# KiCad board ts52k.kicad_pcb
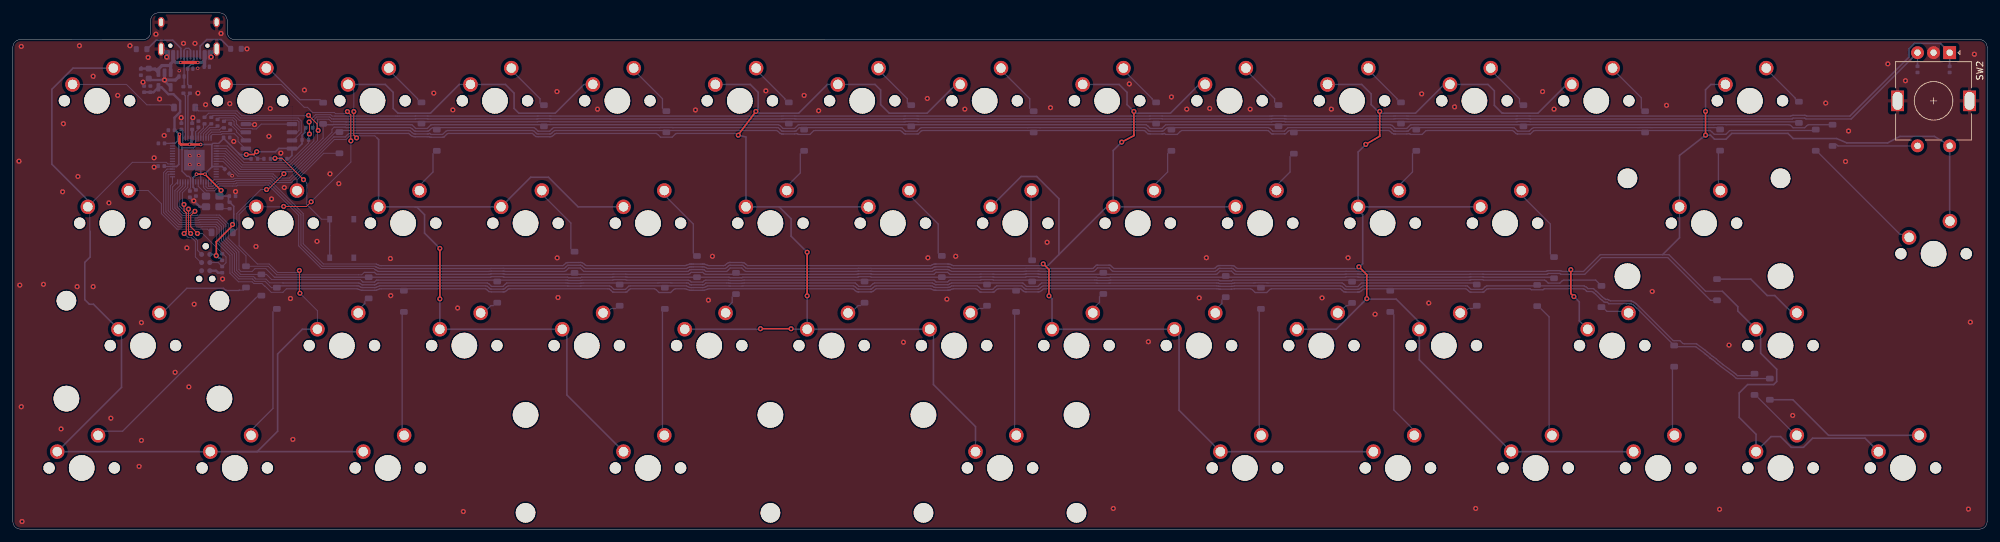
[diagram p0: board, top side]
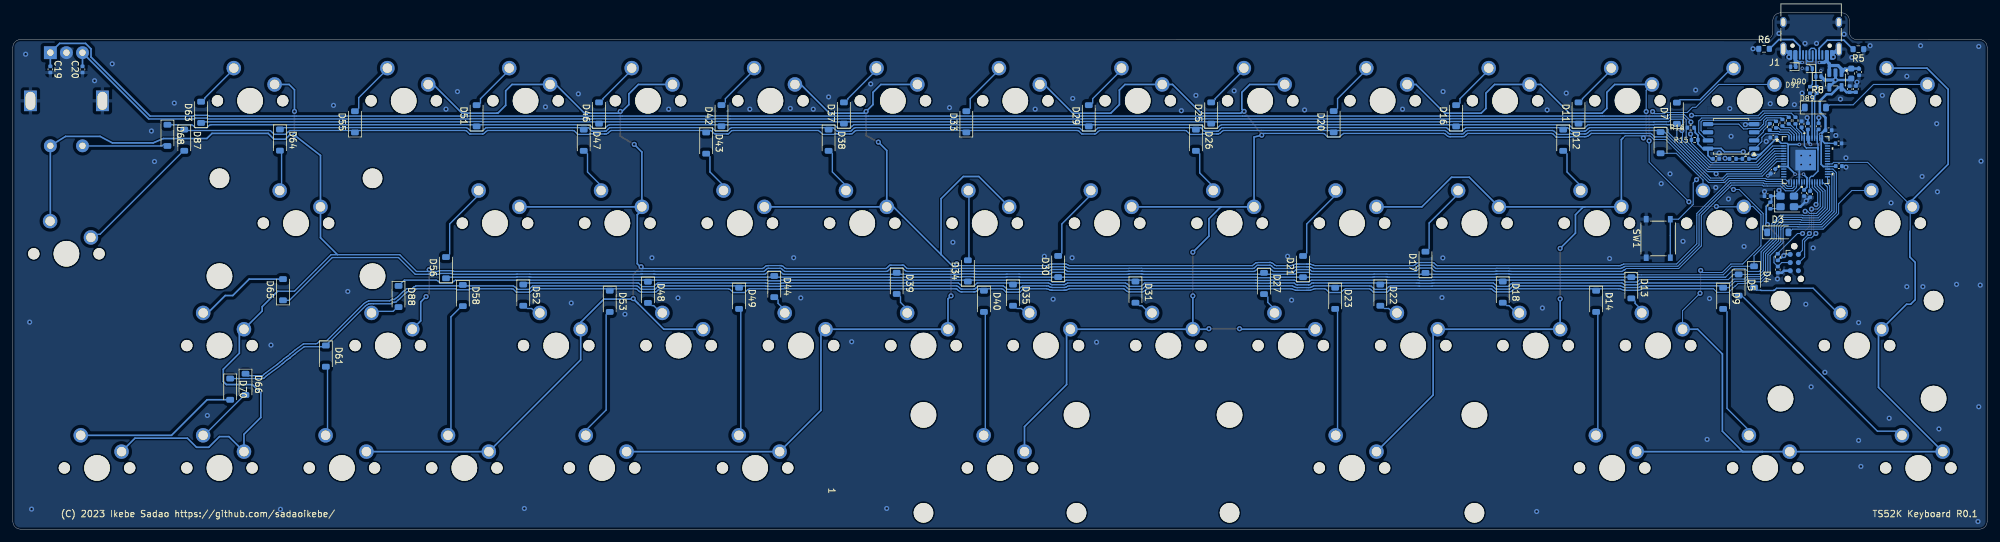
[diagram p1: board, bottom side, seen from below]

Outline 307.18 x 80.36 mm; copper layers: Top, Bottom. Coordinates in mm from the lower left corner of the outline.
Outline path: 0,75.01 arc(0.35,75.85) 1.19,76.2 20.25,76.19 arc(21.09,76.54) 21.44,77.38 21.44,79.17 arc(21.79,80.01) 22.63,80.36 32.16,80.36 arc(33,80.01) 33.35,79.17 33.35,77.38 arc(33.69,76.54) 34.54,76.19 305.99,76.2 arc(306.83,75.85) 307.18,75.01 307.18,1.19 arc(306.83,0.35) 305.99,0 301.23,0 1.19,0 arc(0.35,0.35) 0,1.19 0,75.01
Stack: Top 0.035mm / dielectric 1.51mm FR4 er 4.5 / Bottom 0.035mm

## Placement (name value [footprint] x y rotation side)
C2  1u  [C_0402_1005Metric]  42.17 57.64 0 bottom
C3  4.7u  [C_0603_1608Metric]  21.14 70.91 90 bottom
C4  1u  [C_0402_1005Metric]  19.92 71.14 90 bottom
C5  4.7u  [C_0402_1005Metric]  21.39 68.49 270 bottom
C6  1u  [C_0402_1005Metric]  24.67 62.09 180 bottom
C7  1u  [C_0402_1005Metric]  32.57 40.39 270 bottom
C8  1u  [C_0402_1005Metric]  26.22 62.69 90 bottom
C9  1u  [C_0402_1005Metric]  28.87 63.03 90 bottom
C10  1u  [C_0402_1005Metric]  27.54 52.14 270 bottom
C12  1u  [C_0402_1005Metric]  28.48 52.32 270 bottom
C13  1u  [C_0402_1005Metric]  27.9 62.69 90 bottom
C14  1u  [C_0402_1005Metric]  34.17 51.83 0 bottom
C15  1u  [C_0402_1005Metric]  33.27 60.95 0 bottom
C16  1u  [C_0402_1005Metric]  33.32 55.69 315 bottom
C17  1u  [C_0402_1005Metric]  23.08 56.51 180 bottom
C18  1u  [C_0402_1005Metric]  23.12 60.04 180 bottom
C19  0.1u  [C_0402_1005Metric]  301.35 71.56 270 bottom
C20  0.1u  [C_0402_1005Metric]  296.35 71.56 90 bottom
C21  1u  [C_0402_1005Metric]  20.42 68.49 90 bottom
D2  D  [D_SOD-123]  26.72 65.62 180 bottom
D3  D  [D_SOD-123]  32.57 46.19 180 bottom
D4  D  [D_SOD-123]  36.27 39.27 270 bottom
D5  D  [D_SOD-123]  38.67 38 270 bottom
D7  D  [D_SOD-123]  48.28 64.73 90 bottom
D8  D  [D_SOD-123]  50.82 60.15 270 bottom
D9  D  [D_SOD-123]  41.08 35.93 270 bottom
D11  D  [D_SOD-123]  63.58 64.77 90 bottom
D12  D  [D_SOD-123]  65.96 60.54 270 bottom
D13  D  [D_SOD-123]  55.36 37.56 270 bottom
D14  D  [D_SOD-123]  60.84 35.46 270 bottom
D16  D  [D_SOD-123]  82.63 64.34 90 bottom
D17  D  [D_SOD-123]  87.39 41.54 90 bottom
D18  D  [D_SOD-123]  75.37 36.89 270 bottom
D20  D  [D_SOD-123]  101.68 63.41 90 bottom
D21  D  [D_SOD-123]  106.44 40.86 90 bottom
D22  D  [D_SOD-123]  94.42 36.42 270 bottom
D23  D  [D_SOD-123]  101.44 35.93 270 bottom
D25  D  [D_SOD-123]  120.73 64.77 90 bottom
D26  D  [D_SOD-123]  123.11 60.54 270 bottom
D27  D  [D_SOD-123]  112.51 38.24 270 bottom
D29  D  [D_SOD-123]  139.78 64.34 90 bottom
D30  D  [D_SOD-123]  144.54 40.88 90 bottom
D31  D  [D_SOD-123]  132.52 36.89 270 bottom
D33  D  [D_SOD-123]  158.83 63.4 90 bottom
D34  D  [D_SOD-123]  158.59 40.19 90 bottom
D35  D  [D_SOD-123]  151.57 36.42 270 bottom
D37  D  [D_SOD-123]  177.88 64.77 90 bottom
D38  D  [D_SOD-123]  180.26 60.54 270 bottom
D39  D  [D_SOD-123]  169.66 38.26 270 bottom
D40  D  [D_SOD-123]  156.09 35.46 270 bottom
D42  D  [D_SOD-123]  196.93 64.35 90 bottom
D43  D  [D_SOD-123]  199.31 60.09 270 bottom
D44  D  [D_SOD-123]  188.71 37.76 270 bottom
D46  D  [D_SOD-123]  215.98 64.77 90 bottom
D47  D  [D_SOD-123]  218.36 60.54 270 bottom
D48  D  [D_SOD-123]  208.37 36.86 270 bottom
D49  D  [D_SOD-123]  194.19 35.93 270 bottom
D51  D  [D_SOD-123]  235.03 64.34 90 bottom
D52  D  [D_SOD-123]  227.77 36.42 270 bottom
D53  D  [D_SOD-123]  214.31 35.46 270 bottom
D55  D  [D_SOD-123]  253.96 63.4 90 bottom
D56  D  [D_SOD-123]  239.79 40.7 90 bottom
D58  D  [D_SOD-123]  237.17 36.36 270 bottom
D61  D  [D_SOD-123]  258.49 26.93 270 bottom
D63  D  [D_SOD-123]  277.89 64.88 90 bottom
D64  D  [D_SOD-123]  265.63 60.56 270 bottom
D65  D  [D_SOD-123]  265.15 37.27 90 bottom
D66  D  [D_SOD-123]  270.99 22.54 270 bottom
D68  D  [D_SOD-123]  283.13 61.29 270 bottom
D70  D  [D_SOD-123]  273.37 21.79 270 bottom
D87  D  [D_SOD-123]  280.51 60.54 270 bottom
D88  D  [D_SOD-123]  247.17 36.21 270 bottom
D89  H5VU10U  [D_SOD-882D]  26.25 70.45 180 bottom
D90  H5VU10U  [D_SOD-882D]  27.6 71.67 0 bottom
D91  H5VU10U  [D_SOD-882D]  30.17 71.97 0 bottom
J1  HRO_TYPE-C-31-M-12  [USB_C_Receptacle_HRO_TYPE-C-31-M-12]  27.39 77.86 0 bottom
J2  TC2030_IDC_NL  [Tag-Connect_TC2030-IDC-NL_2x03_P1.27mm_Vertical]  30.01 41.49 270 bottom
MX2  MX-NoLED  [MXOnly-1.5U-NoLED]  13.1 66.68 0 top
MX3  MX-NoLED  [MXOnly-1.75U-NoLED]  15.48 47.63 0 top
MX4  MX-NoLED  [MXOnly-2.25U-NoLED]  20.24 28.58 0 top
MX5  MX-NoLED  [MXOnly-1.25U-NoLED]  10.72 9.53 0 top
MX7  MX-NoLED  [MXOnly-1U-NoLED]  36.91 66.68 0 top
MX8  MX-NoLED  [MXOnly-1U-NoLED]  41.67 47.63 0 top
MX9  MX-NoLED  [MXOnly-1.25U-NoLED]  34.53 9.53 0 top
MX11  MX-NoLED  [MXOnly-1U-NoLED]  55.96 66.68 0 top
MX12  MX-NoLED  [MXOnly-1U-NoLED]  60.72 47.63 0 top
MX13  MX-NoLED  [MXOnly-1U-NoLED]  51.2 28.58 0 top
MX14  MX-NoLED  [MXOnly-1.25U-NoLED]  58.34 9.53 0 top
MX16  MX-NoLED  [MXOnly-1U-NoLED]  75.01 66.68 0 top
MX17  MX-NoLED  [MXOnly-1U-NoLED]  79.77 47.63 0 top
MX18  MX-NoLED  [MXOnly-1U-NoLED]  70.25 28.58 0 top
MX20  MX-NoLED  [MXOnly-1U-NoLED]  94.06 66.68 0 top
MX21  MX-NoLED  [MXOnly-1U-NoLED]  98.82 47.63 0 top
MX22  MX-NoLED  [MXOnly-1U-NoLED]  89.3 28.58 0 top
MX23  MX-NoLED  [MXOnly-3U-ReversedStabilizers-NoLED]  98.82 9.53 0 top
MX25  MX-NoLED  [MXOnly-1U-NoLED]  113.11 66.68 0 top
MX26  MX-NoLED  [MXOnly-1U-NoLED]  117.87 47.63 0 top
MX27  MX-NoLED  [MXOnly-1U-NoLED]  108.35 28.58 0 top
MX29  MX-NoLED  [MXOnly-1U-NoLED]  132.16 66.68 0 top
MX30  MX-NoLED  [MXOnly-1U-NoLED]  136.92 47.63 0 top
MX31  MX-NoLED  [MXOnly-1U-NoLED]  127.4 28.58 0 top
MX33  MX-NoLED  [MXOnly-1U-NoLED]  151.21 66.68 0 top
MX34  MX-NoLED  [MXOnly-1U-NoLED]  155.97 47.63 0 top
MX35  MX-NoLED  [MXOnly-1U-NoLED]  146.45 28.58 0 top
MX37  MX-NoLED  [MXOnly-1U-NoLED]  170.26 66.68 0 top
MX38  MX-NoLED  [MXOnly-1U-NoLED]  175.02 47.63 0 top
MX39  MX-NoLED  [MXOnly-1U-NoLED]  165.5 28.58 0 top
MX42  MX-NoLED  [MXOnly-1U-NoLED]  189.31 66.68 0 top
MX43  MX-NoLED  [MXOnly-1U-NoLED]  194.07 47.63 0 top
MX44  MX-NoLED  [MXOnly-1U-NoLED]  184.55 28.58 0 top
MX46  MX-NoLED  [MXOnly-1U-NoLED]  208.36 66.68 0 top
MX47  MX-NoLED  [MXOnly-1U-NoLED]  213.12 47.63 0 top
MX48  MX-NoLED  [MXOnly-1U-NoLED]  203.6 28.58 0 top
MX51  MX-NoLED  [MXOnly-1U-NoLED]  227.41 66.68 0 top
MX52  MX-NoLED  [MXOnly-1U-NoLED]  222.65 28.58 0 top
MX55  MX-NoLED  [MXOnly-1U-NoLED]  246.37 66.68 0 top
MX56  MX-NoLED  [MXOnly-1U-NoLED]  232.17 47.63 0 top
MX58  MX-NoLED  [MXOnly-1U-NoLED]  236.93 9.53 0 top
MX60  MX-NoLED  [MXOnly-2.75U-ReversedStabilizers-NoLED]  153.59 9.53 0 top
MX61  MX-NoLED  [MXOnly-1U-NoLED]  255.98 9.53 0 top
MX64  MX-NoLED  [MXOnly-1.5U-NoLED]  270.27 66.68 0 top
MX65  MX-NoLED  [MXOnly-2.25U-NoLED]  263.13 47.63 0 top
MX66  MX-NoLED  [MXOnly-1U-NoLED]  275.03 28.58 0 top
MX67  MX-NoLED  [MXOnly-1U-NoLED]  275.03 9.53 0 top
MX71  MX-NoLED  [MXOnly-1U-NoLED]  294.08 9.53 0 top
MX74  MX-NoLED  [MXOnly-1U-NoLED]  298.85 42.86 0 top
MX75  MX-NoLED  [MXOnly-1.75U-NoLED]  248.84 28.58 0 top
MX81  MX-NoLED  [MXOnly-1.25U-NoLED]  191.69 9.53 0 top
MX82  MX-NoLED  [MXOnly-1.25U-NoLED]  215.5 9.53 0 top
R2  10k  [R_0402_1005Metric]  37.57 57.64 0 bottom
R3  10k  [R_0402_1005Metric]  33.73 50.38 270 bottom
R4  10k  [R_0402_1005Metric]  32.57 42.34 90 bottom
R5  5.1k  [R_0603_1608Metric]  20.03 74.71 0 bottom
R6  5.1k  [R_0603_1608Metric]  34.71 74.76 180 bottom
R7  22  [R_0402_1005Metric]  26.53 68.36 270 bottom
R8  22  [R_0402_1005Metric]  27.55 68.36 270 bottom
R9  22  [R_0402_1005Metric]  30.87 63.59 270 bottom
R10  22  [R_0402_1005Metric]  31.85 63.26 270 bottom
R11  22  [R_0402_1005Metric]  33.82 62.62 270 bottom
R12  22  [R_0402_1005Metric]  32.84 62.97 270 bottom
R13  22  [R_0402_1005Metric]  29.82 63.59 270 bottom
R14  1k  [R_0402_1005Metric]  39.57 57.64 0 bottom
R15  10k  [R_0402_1005Metric]  45.51 60.59 0 bottom
R16  10k  [R_0402_1005Metric]  46.12 62.49 0 bottom
SW1  TS-1187A-B-A-B  [SW_Tactile_XKB_TS-1187A_5.1x5.1mm]  51.17 45.24 90 bottom
SW2  RotaryEncoder_Switch  [RotaryEncoder_Alps_EC11E-Switch_Vertical_H20mm]  301.35 74.16 270 top
U3  TPS7A2433DBVR  [SOT-23-5]  23.6 69.91 270 bottom
U4  W25Q128JVS  [SOIC-8_5.3x5.3mm_P1.27mm]  39.84 61.14 0 bottom
U5  RP2040  [IC57_RP2040]  28.24 57.44 180 bottom
X2  OC2EL89CJO-113YLC-12M  [Oscillator_SMD_Abracon_ASE-4Pin_3.2x2.5mm]  31.1 51 180 bottom

## Library data of the parts
C2 C4 C6-C10 C12-C18 C21 = -: KiLib_Generator: SMD_2terminal_chip_molded; LCSC: C52923; MPN: CL05A105KA5NQNC; ki_fp_filters: C_*
C3 = -: KiLib_Generator: SMD_2terminal_chip_molded; LCSC: C69335; MPN: CL10A475KA8NQNC
C5 = -: KiLib_Generator: SMD_2terminal_chip_molded; LCSC: C23733; MPN: CL05A475MP5NRNC; ki_fp_filters: C_*
C19 C20 = -: LCSC: C1525; ki_fp_filters: C_*
D2-D5 D7-D9 D11-D14 D16-D18 D20-D23 D25-D27 D29-D31 D33-D35 D37-D40 D42-D44 D46-D49 D51-D53 D55 D56 D58 D61 D63-D66 D68 D70 D87 D88 = -: LCSC: C81598; ki_fp_filters: TO-???* *_Diode_* *SingleDiode* D_*
D89-D91 = -: Datasheet: https://datasheet.lcsc.com/datasheet/pdf/c39c364bc61f363e0e429e5dec391fd3.pdf?productCode=C22395519; Description: H5VU10U unidirectional ESD protection, pin 1 cathode/IO, pin 2 anode/GND; LCSC: C22395519; ki_fp_filters: D_SOD-882D*
J1 = -: Datasheet: https://www.usb.org/sites/default/files/documents/usb_type-c.zip; LCSC: C165948; ki_fp_filters: USB*C*Receptacle*
J2 = -: Datasheet: https://www.tag-connect.com/wp-content/uploads/bsk-pdf-manager/TC2030-IDC-NL_8.pdf; Description: Tag-Connect TC2030-IDC-NL, TC2030-CTX pinout. No component fitted; ki_fp_filters: Tag-Connect_TC2030*
R2-R4 = -: KiLib_Generator: SMD_2terminal_chip_molded; LCSC: C25744; MPN: 0402WGF1002TCE; ki_fp_filters: R_*
R5 R6 = -: LCSC: C23186; ki_fp_filters: R_*
R7-R13 = -: KiLib_Generator: SMD_2terminal_chip_molded; LCSC: C25092; MPN: 0402WGF220JTCE; ki_fp_filters: R_*
R14 = -: KiLib_Generator: SMD_2terminal_chip_molded; LCSC: C11702; MPN: 0402WGF1001TCE; ki_fp_filters: R_*
R15 R16 = -: Datasheet: https://www.lcsc.com/product-detail/C25744.html; KiLib_Generator: SMD_2terminal_chip_molded; LCSC: C25744; MPN: 0402WGF1002TCE
SW1 = -: Datasheet: https://www.helloxkb.com/uploads/qingchukaiguan/TS-1187A-X-X-X.pdf; LCSC: C318884
SW2 = -: ki_fp_filters: RotaryEncoder*Switch*
U3 = -: Datasheet: https://www.ti.com/lit/gpn/TPS7A24; Description: 200mA 3.3V LDO; EN to IN; NC pin 4 to GND; KiLib_Generator: package/gullwing; LCSC: C2866134
U4 = -: Datasheet: https://www.winbond.com/resource-files/w25q128jv_dtr%20revc%2003272018%20plus.pdf; Description: 128Mbit / 16MiB Serial Flash Memory, Standard/Dual/Quad SPI, 2.7-3.6V, SOIC-8; KiLib_Generator: package/gullwing; LCSC: C97521; MPN: W25Q128JVSIQ; ki_fp_filters: *SOIC*5.3x5.3mm*P1.27mm*
U5 = -: LCSC: C2040; ki_fp_filters: IC57_RP2040 IC57_RP2040-M IC57_RP2040-L
X2 = -: Datasheet: http://www.abracon.com/Oscillators/ASV.pdf; KiLib_Generator: crystal_resonator_oscillator; LCSC: C27636964; ki_fp_filters: Oscillator*SMD*Abracon*ASE*3.2x2.5mm*

## Footprints (pads in the part's own frame, mm; a bottom-side part is the same pattern mirrored in y, then rotated)
C_0402_1005Metric
  rrect 0.56x0.62 smd: 1(-0.48,0) 2(0.48,0)
C_0603_1608Metric
  rrect 0.9x0.95 smd: 1(-0.775,0) 2(0.775,0)
D_SOD-123
  rrect 0.9x1.2 smd: 1(-1.65,0) 2(1.65,0)
D_SOD-882D
  rrect 0.3x0.6 smd: (-0.35,0) (0.35,0)
  rrect 0.5x0.7 smd: 1(-0.4,0) 2(0.4,0)
IC57_RP2040
  rect 0.808x0.2 smd: 1(-3.401,2.6) 2(-3.401,2.2) 3(-3.401,1.8) 4(-3.401,1.4) 5(-3.401,1) 6(-3.401,0.6) 7(-3.401,0.2) 8(-3.401,-0.2) 9(-3.401,-0.6) 10(-3.401,-1) 11(-3.401,-1.4) 12(-3.401,-1.8) 13(-3.401,-2.2) 14(-3.401,-2.6) 29(3.401,-2.6) 30(3.401,-2.2) 31(3.401,-1.8) 32(3.401,-1.4) 33(3.401,-1) 34(3.401,-0.6) 35(3.401,-0.2) 36(3.401,0.2) 37(3.401,0.6) 38(3.401,1) 39(3.401,1.4) 40(3.401,1.8) 41(3.401,2.2) 42(3.401,2.6)
  rect 0.2x0.808 smd: 15(-2.6,-3.401) 16(-2.2,-3.401) 17(-1.8,-3.401) 18(-1.4,-3.401) 19(-1,-3.401) 20(-0.6,-3.401) 21(-0.2,-3.401) 22(0.2,-3.401) 23(0.6,-3.401) 24(1,-3.401) 25(1.4,-3.401) 26(1.8,-3.401) 27(2.2,-3.401) 28(2.6,-3.401) 43(2.6,3.401) 44(2.2,3.401) 45(1.8,3.401) 46(1.4,3.401) 47(1,3.401) 48(0.6,3.401) 49(0.2,3.401) 50(-0.2,3.401) 51(-0.6,3.401) 52(-1,3.401) 53(-1.4,3.401) 54(-1.8,3.401) 55(-2.2,3.401) 56(-2.6,3.401)
  rect 3.2x3.2 smd: 57(0,0)
MXOnly-1.5U-NoLED
  round 1.75 hole 1.75 unplated: (-5.08,0) (5.08,0)
  round 3.988 hole 3.988 unplated: (0,0)
  round 2.25 hole 1.47: 1(-3.81,2.54) 2(2.54,5.08)
MXOnly-1.25U-NoLED
  round 1.75 hole 1.75 unplated: (-5.08,0) (5.08,0)
  round 3.988 hole 3.988 unplated: (0,0)
  round 2.25 hole 1.47: 1(-3.81,2.54) 2(2.54,5.08)
MXOnly-1.75U-NoLED
  round 1.75 hole 1.75 unplated: (-5.08,0) (5.08,0)
  round 3.988 hole 3.988 unplated: (0,0)
  round 2.25 hole 1.47: 1(-3.81,2.54) 2(2.54,5.08)
MXOnly-1U-NoLED
  round 1.75 hole 1.75 unplated: (-5.08,0) (5.08,0)
  round 3.988 hole 3.988 unplated: (0,0)
  round 2.25 hole 1.47: 1(-3.81,2.54) 2(2.54,5.08)
MXOnly-2.25U-NoLED
  round 3.048 hole 3.048 unplated: (-11.906,6.985) (11.906,6.985)
  round 3.988 hole 3.988 unplated: (-11.906,-8.255) (0,0) (11.906,-8.255)
  round 1.75 hole 1.75 unplated: (-5.08,0) (5.08,0)
  round 2.25 hole 1.47: 1(-3.81,2.54) 2(2.54,5.08)
MXOnly-2.75U-ReversedStabilizers-NoLED
  round 3.988 hole 3.988 unplated: (-11.906,8.255) (0,0) (11.906,8.255)
  round 3.048 hole 3.048 unplated: (-11.906,-6.985) (11.906,-6.985)
  round 1.75 hole 1.75 unplated: (-5.08,0) (5.08,0)
  round 2.25 hole 1.47: 1(-3.81,2.54) 2(2.54,5.08)
MXOnly-3U-ReversedStabilizers-NoLED
  round 3.988 hole 3.988 unplated: (-19.05,8.255) (0,0) (19.05,8.255)
  round 3.048 hole 3.048 unplated: (-19.05,-6.985) (19.05,-6.985)
  round 1.75 hole 1.75 unplated: (-5.08,0) (5.08,0)
  round 2.25 hole 1.47: 1(-3.81,2.54) 2(2.54,5.08)
Oscillator_SMD_Abracon_ASE-4Pin_3.2x2.5mm
  rrect 1.3x1.1 smd: 1(-1.05,-0.825) 2(1.05,-0.825) 3(1.05,0.825) 4(-1.05,0.825)
R_0402_1005Metric
  rrect 0.54x0.64 smd: 1(-0.51,0) 2(0.51,0)
R_0603_1608Metric
  rrect 0.8x0.95 smd: 1(-0.825,0) 2(0.825,0)
RotaryEncoder_Alps_EC11E-Switch_Vertical_H20mm
  rect 2x2 hole 1: A(0,0)
  round 2 hole 1: B(0,-5) C(0,-2.5) S1(14.5,-5) S2(14.5,0)
  rect 3.2x2 hole 2.8x1.5: MP(7.5,3.1) MP(7.5,-8.1)
SOIC-8_5.3x5.3mm_P1.27mm
  rrect 1.625x0.65 smd: 1(-3.587,1.905) 2(-3.587,0.635) 3(-3.587,-0.635) 4(-3.587,-1.905) 5(3.587,-1.905) 6(3.587,-0.635) 7(3.587,0.635) 8(3.587,1.905)
SOT-23-5
  rrect 1.325x0.6 smd: 1(-1.137,0.95) 2(-1.137,0) 3(-1.137,-0.95) 4(1.137,-0.95) 5(1.137,0.95)
SW_Tactile_XKB_TS-1187A_5.1x5.1mm
  rect 1x0.75 smd: 1(-3,1.875) 1(3,1.875) 2(-3,-1.875) 2(3,-1.875)
Tag-Connect_TC2030-IDC-NL_2x03_P1.27mm_Vertical
  round 0.991 hole 0.991 unplated: (-2.54,0) (2.54,-1.016) (2.54,1.016)
  round 0.787 smd: 1(-1.27,-0.635) 2(-1.27,0.635) 3(0,-0.635) 4(0,0.635) 5(1.27,-0.635) 6(1.27,0.635)
USB_C_Receptacle_HRO_TYPE-C-31-M-12
  round 0.65 hole 0.65 unplated: (-2.89,2.6) (2.89,2.6)
  rrect 0.6x1.45 smd: A1(-3.25,4.045) A4(-2.45,4.045) A9(2.45,4.045) A12(3.25,4.045) B1(3.25,4.045) B4(2.45,4.045) B9(-2.45,4.045) B12(-3.25,4.045)
  rrect 0.3x1.45 smd: A5(-1.25,4.045) A6(-0.25,4.045) A7(0.25,4.045) A8(1.25,4.045) B5(1.75,4.045) B6(0.75,4.045) B7(-0.75,4.045) B8(-1.75,4.045)
  oval 1x1.6 hole 0.6x1.2: SH(-4.32,-1.05) SH(4.32,-1.05)
  oval 1x2.1 hole 0.6x1.7: SH(-4.32,3.13) SH(4.32,3.13)

## Nets
+3V3: C2.2 C5.2 C6.1 C12.1 C13.1 C14.1 C15.1 C16.1 C17.1 C18.1 C21.1 J2.1 R2.1 R3.1 R4.1 R15.1 R16.1 U3.5 U4.8 U5.1 U5.10 U5.22 U5.33 U5.42 U5.43 U5.44 U5.48 U5.49 X2.4
+5V: C3.2 C4.2 D91.1 J1.A4 J1.A9 J1.B4 J1.B9 U3.1 U3.3
/rp2040/1V1: C8.1 C9.1 C10.1 U5.23 U5.45 U5.50
GND: C2.1 C3.1 C4.1 C5.1 C6.2 C7.2 C8.2 C9.2 C10.2 C12.2 C13.2 C14.2 C15.2 C16.2 C17.2 C18.2 C19.2 C20.1 C21.2 D89.2 D90.2 D91.2 J1.A1 J1.A12 J1.B1 J1.B12 J1.SH J2.5 R5.1 R6.1 SW1.1 SW2.C SW2.MP U3.2 U3.4 U4.4 U5.19 U5.57 X2.2
/rp2040/QSPI_SCLK: R9.1 U4.6
/rp2040/QSPI_SD0: R10.1 U4.5
/rp2040/QSPI_SD1: R11.1 U4.2
/rp2040/QSPI_SD2: R12.1 U4.3
/rp2040/QSPI_SD3: R13.1 U4.7
col1: MX2.2 MX3.1 MX4.1 MX5.1 MX7.1 MX8.1 MX9.1 MX13.1 MX14.1 U5.34
col2: MX11.1 MX12.1 MX16.1 MX17.1 MX18.1 MX20.1 MX21.1 MX22.1 MX23.1 U5.15
col3: MX25.1 MX26.1 MX27.1 MX29.1 MX30.1 MX31.1 MX33.1 MX35.1 MX60.1 U5.8
col4: MX34.1 MX37.1 MX38.1 MX39.1 MX42.1 MX43.1 MX44.1 MX81.1 MX82.1 U5.16
col5: MX46.1 MX47.1 MX48.1 MX51.1 MX52.1 MX55.1 MX56.1 MX58.1 MX61.1 U5.17
col6: MX64.1 MX65.1 MX66.1 MX67.1 MX71.1 MX74.2 MX75.1 SW2.S2 U5.18
D+: D90.1 J1.A6 J1.B6 R8.1
D-: D89.1 J1.A7 J1.B7 R7.1
QSPI_SS_N: R2.2 R14.1 U4.1 U5.56
row1: D2.1 D11.1 D25.1 D37.1 D46.1 D63.1 U5.4
row2: D3.1 D12.1 D26.1 D38.1 D47.1 D64.1 U5.6
row3: D4.1 D17.1 D27.1 D39.1 D65.1 U5.27
row4: D5.1 D18.1 D31.1 D34.1 D48.1 D88.1 U5.29
row5: D9.1 D23.1 D49.1 D58.1 D66.1 U5.31
row6: D7.1 D16.1 D29.1 D42.1 D51.1 D68.1 U5.5
row7: D8.1 D20.1 D33.1 D43.1 D55.1 D87.1 U5.7
row8: D13.1 D21.1 D30.1 D44.1 D56.1 U5.28
row9: D22.1 D35.1 D52.1 U5.30
row10: D14.1 D40.1 D53.1 D61.1 D70.1 U5.32
rpg1: C19.1 R15.2 SW2.A U5.2
rpg2: C20.2 R16.2 SW2.B U5.3
SWCLK: J2.4 U5.24
SWDIO: J2.2 U5.25
~{RST}: C7.1 J2.3 R4.2 U5.26
Net-(D2-A): D2.2 MX2.1
Net-(D3-A): D3.2 MX3.2
Net-(D4-A): D4.2 MX4.2
Net-(D5-A): D5.2 MX5.2
Net-(D7-A): D7.2 MX7.2
Net-(D8-A): D8.2 MX8.2
Net-(D9-A): D9.2 MX9.2
Net-(D11-A): D11.2 MX11.2
Net-(D12-A): D12.2 MX12.2
Net-(D13-A): D13.2 MX13.2
Net-(D14-A): D14.2 MX14.2
Net-(D16-A): D16.2 MX16.2
Net-(D17-A): D17.2 MX17.2
Net-(D18-A): D18.2 MX18.2
Net-(D20-A): D20.2 MX20.2
Net-(D21-A): D21.2 MX21.2
Net-(D22-A): D22.2 MX22.2
Net-(D23-A): D23.2 MX23.2
Net-(D25-A): D25.2 MX25.2
Net-(D26-A): D26.2 MX26.2
Net-(D27-A): D27.2 MX27.2
Net-(D29-A): D29.2 MX29.2
Net-(D30-A): D30.2 MX30.2
Net-(D31-A): D31.2 MX31.2
Net-(D33-A): D33.2 MX33.2
Net-(D34-A): D34.2 MX34.2
Net-(D35-A): D35.2 MX35.2
Net-(D37-A): D37.2 MX37.2
Net-(D38-A): D38.2 MX38.2
Net-(D39-A): D39.2 MX39.2
Net-(D40-A): D40.2 MX60.2
Net-(D42-A): D42.2 MX42.2
Net-(D43-A): D43.2 MX43.2
Net-(D44-A): D44.2 MX44.2
Net-(D46-A): D46.2 MX46.2
Net-(D47-A): D47.2 MX47.2
Net-(D48-A): D48.2 MX48.2
Net-(D49-A): D49.2 MX81.2
Net-(D51-A): D51.2 MX51.2
Net-(D52-A): D52.2 MX52.2
Net-(D53-A): D53.2 MX82.2
Net-(D55-A): D55.2 MX55.2
Net-(D56-A): D56.2 MX56.2
Net-(D58-A): D58.2 MX58.2
Net-(D61-A): D61.2 MX61.2
Net-(D63-A): D63.2 MX64.2
Net-(D64-A): D64.2 MX65.2
Net-(D65-A): D65.2 MX66.2
Net-(D66-A): D66.2 MX67.2
Net-(D68-A): D68.2 SW2.S1
Net-(D70-A): D70.2 MX71.2
Net-(D87-A): D87.2 MX74.1
Net-(D88-A): D88.2 MX75.2
Net-(J1-CC1): J1.A5 R5.2
Net-(J1-CC2): J1.B5 R6.2
Net-(R14-Pad2): R14.2 SW1.2
Net-(U5-QSPI_SCLK): R9.2 U5.52
Net-(U5-QSPI_SD0): R10.2 U5.53
Net-(U5-QSPI_SD1): R11.2 U5.55
Net-(U5-QSPI_SD2): R12.2 U5.54
Net-(U5-QSPI_SD3): R13.2 U5.51
Net-(U5-USB_DM): R7.2 U5.46
Net-(U5-USB_DP): R8.2 U5.47
Net-(U5-XIN): U5.20 X2.3
Net-(X2-EN): R3.2 X2.1

Pads without a net: J1 A8 B8; J2 6; U5 9 11 12 13 14 21 35 36 37 38 39 40 41

## Via types
v1: diameter 0.8, hole 0.4, Top to Bottom, 164 vias
v2: diameter 0.5, hole 0.3, Top to Bottom, 4 vias
v3: diameter 0.55, hole 0.3, Top to Bottom, 10 vias

## Routing (per net, layer and track width the routed paths; a pad name or vN(x,y) marks a point on that pad's centre or on a via; arc(x,y) is an arc through that point)
+3V3: length 86.6
  Top w0.25: v1(36.32,58.31) 37.5,58.31 v1(37.94,58.74) ; v1(32.39,52.72) 29.89,55.22 29.89,55.29 29.84,55.24 28.59,55.24 ; 31.65,42.31 31.65,44.73 34.17,47.24
  Top w0.375: v3(29.23,59.87) 27.5,59.87 v3(27.49,59.89) ; v3(25.92,61.44) 25.92,60.08 26.13,59.87 27.5,59.87 27.45,59.93
  Bottom w0.2: U5.42 23.55,60.04 ; U5.1 31.12,60.04 30.96,59.89 ; U5.33 23.55,56.44 ; U5.49 U5.48 ; U5.44 U5.43
  Bottom w0.25: U4.8 43.4,59.26 41.39,59.26 40.88,58.74 v1(37.94,58.74) ; U4.8 43.43,58.15 42.92,57.64 C2.2 ; U4.8 44.24,59.23 45,59.99 R15.1 45,61.3 45.42,61.73 45.42,62.31 R16.1 ; 35.31,58.31 35.12,58.49 35.97,57.64 R2.1 ; 35.31,58.31 32.79,60.82 C15.1 ; 35.31,58.31 v1(36.32,58.31) ; C15.1 32.64,60.95 ; C15.1 32.79,60.8 32.06,60.07 ; 31.98,51.84 31.98,51.84 33.51,51.84 33.55,51.8 33.55,50.9 ; 30.96,56.47 30.99,56.44 U5.10 32.57,56.44 C16.1 ; 30.96,56.47 30.96,56.37 29.89,55.29 ; 30.96,56.47 30.96,59.86 ; v3(25.92,61.44) 25.64,61.16 U5.43 25.64,60.45 25.24,60.04 U5.42 ; U5.33 25.49,56.44 25.82,56.77 25.82,60.63 ; 29.33,59.77 29.28,59.82 ; X2.4 32.15,52.48 v1(32.39,52.72) ; R3.1 34.37,50.25 34.37,47.61 v1(34.17,47.41) ; 30.8,42.64 30.8,42.76 31.45,42.76 v1(31.65,42.57) 32.01,42.2 32.2,42.2 R4.1 32.45,41.83 ; 28.59,55.24 28.04,54.69 U5.22 28.04,53.24 C12.1 ; 30.95,59.87 v3(29.23,59.87)
  Bottom w0.375: C13.1 27.9,61.09 27.8,60.99 27.8,60.2 v3(27.49,59.89) ; v3(25.92,61.44) 25.27,62.09 C6.1 25.15,64.05 26.03,64.92 26.03,66.65 24.98,67.7 24.2,67.7 23.13,68.77 U3.5 21.89,68.01 C21.1
  vias: v3(28.57,55.25) v3(29.89,55.25)
+5V: length 17.1
  Top w0.5: v2(28.78,72.64) v2(26.09,72.64)
  Bottom w0.375: 19.99,71.89 19.92,71.82 ; C3.2 19.99,71.69
  Bottom w0.5: U3.1 22.65,71.61 23.2,72.16 24.41,72.16 ; 21.11,71.61 22.13,71.61 22.65,71.09 ; v2(28.78,72.64) 29.44,72.64 29.84,73.04 J1.A9 29.84,72.04 D91.1 ; U3.3 24.55,72.42 24.94,72.81 J1.A4 24.94,73.04 25.35,72.64 v2(26.09,72.64)
/rp2040/1V1: length 15.8
  Bottom w0.15: 28.87,62.56 28.87,62.27 28.44,61.84 28.44,61.52 ; 27.37,52.86 27.64,53.13 U5.23
  Bottom w0.2: 26.32,59.06 26.32,55.72 27.12,54.92 27.37,54.92 27.64,54.65 U5.23 ; 26.32,59.06 26.32,59.23 26.32,59.21 ; 26.32,59.06 26.32,59.21 ; 26.32,59.37 26.32,59.21 ; 26.32,59.37 26.32,59.94 26.44,60.06 U5.45 26.45,60.85 26.45,61.99 C8.1 ; 26.32,59.37 26.34,59.35 28.12,59.35 28.14,59.35 28.44,59.65 U5.50 28.44,61.52
GND: length 22.3
  Bottom w0.2: U5.19 29.24,56.04
  Bottom w0.25: v3(34.11,55) 34.01,55 C16.2 ; v1(26.19,64.04) 26.22,64.01 C8.2 ; 28.22,64.04 27.9,63.72 C13.2 ; v1(37.61,62.97) 37.54,63.04 U4.4
  Bottom w0.375: v1(23.93,73.49) 24.14,73.7 J1.A1 ; 23.56,70.25 23.6,70.29 23.6,69.97 ; C10.2 28.11,51.09 v1(28.15,51.09) 29.06,50.18 X2.2 ; 21.11,70.27 21.13,70.25 ; 23.6,69.77 24.55,68.82 ; C7.2 31.92,39.91 31.61,40.22 30.83,40.22 ; 21.37,69.91 v1(23.6,69.91) ; 23.6,71.09 23.6,70.09 ; 21.14,70.34 21.37,70.11 ; 24.55,69.02 24.55,68.93
  Bottom w0.5: 23.07,74.45 J1.SH 23.23,74.73 J1.A1 ; J1.A12 31.56,74.73 J1.SH ; v1(23.6,69.91) 25.3,69.91 D89.2
  vias: v1(0.95,57.27) v1(1.07,37.98) v1(1.31,75.13) v1(1.31,19.05) v1(1.43,1.19) v1(4.76,38.1) v1(7.5,15.6) v1(7.74,52.51) v1(7.86,63.1) v1(10,37.74) v1(10.12,54.89) v1(10.36,75.25) v1(12.5,70.49) v1(12.5,37.74) v1(14.95,50.78) v1(15.24,17.26) v1(16.31,67.51) v1(18.22,75.25) v1(19.65,9.76) v1(20,32.15) v1(20,13.81) v1(20.25,69.56) v1(21.05,73.42) v1(21.97,57.79) v1(21.97,56.34) v1(22.26,77.03) v1(22.83,66.94) v1(23.55,61.27) v1(25.24,24.41) v1(26.55,75.61) v1(27.07,43.77) v1(27.38,22.15) v1(28.01,64.04) v1(28.22,35) v1(28.34,75.61) v1(28.8,67.87) v1(29.99,66.07) v1(30.85,73.49) v1(32.39,77.15) v1(32.63,38.95) v1(33.75,66.22) v1(34.37,60.34) v1(34.65,52.54) v1(36.43,74.77) v1(37.82,43.99) v1(39.84,61.14) v1(40.05,65.47) v1(40.25,51.39) v1(41.69,58.53) v1(42.23,53.17) v1(43.2,35.89) v1(43.57,13.97) v1(45.36,68.34) v1(47.32,44.79) v1(49.34,55.3) v1(50.71,53.78) v1(58.75,42.12) v1(58.8,36.34) v1(65.48,67.87) v1(68.46,65.25) v1(69.2,34.42) v1(70.1,2.74) v1(84.65,68.1) v1(84.7,42.22) v1(84.82,36.04) v1(90.96,65.37) v1(106.2,65.25) v1(108.22,35.64) v1(108.85,42.47) v1(117.16,68.22) v1(123.11,67.51) v1(125.37,65.13) v1(138.57,29.09) v1(142.28,67.03) v1(142.37,42.24) v1(145.32,35.79) v1(146.7,42.47) v1(148.11,65.37) v1(160.92,44.64) v1(161.45,65.6) v1(171.22,3.22) v1(173.71,69.29) v1(176.67,29.17) v1(180.26,67.27) v1(182.64,65.37) v1(184.6,35.99) v1(185.7,42.24) v1(186.21,65.48) v1(192.52,65.37) v1(203.7,35.99) v1(205.15,65.37) v1(207.75,42.24) v1(211.95,33.44) v1(219.19,67.75) v1(220.3,35.19) v1(224.31,65.72) v1(227.6,3.22) v1(238.01,68.1) v1(239.79,65.37) v1(255.07,36.99) v1(257.3,65.96) v1(265.55,3.09) v1(267.02,28.64) v1(276.92,17.69) v1(282.06,66.32) v1(285.15,57.22) v1(285.62,61.97) v1(291.72,72.42) v1(294.47,69.79) v1(304.27,3.12) v1(304.57,32.22) v1(305.2,73.92) v2(25.87,71.36) v2(28.77,71.74) v3(27.54,58.14) v3(27.54,56.74) v3(28.94,58.14) v3(28.94,56.74)